# Allegro board T736_DEMO_DBOARD_V0-5-draft.brd (continued)
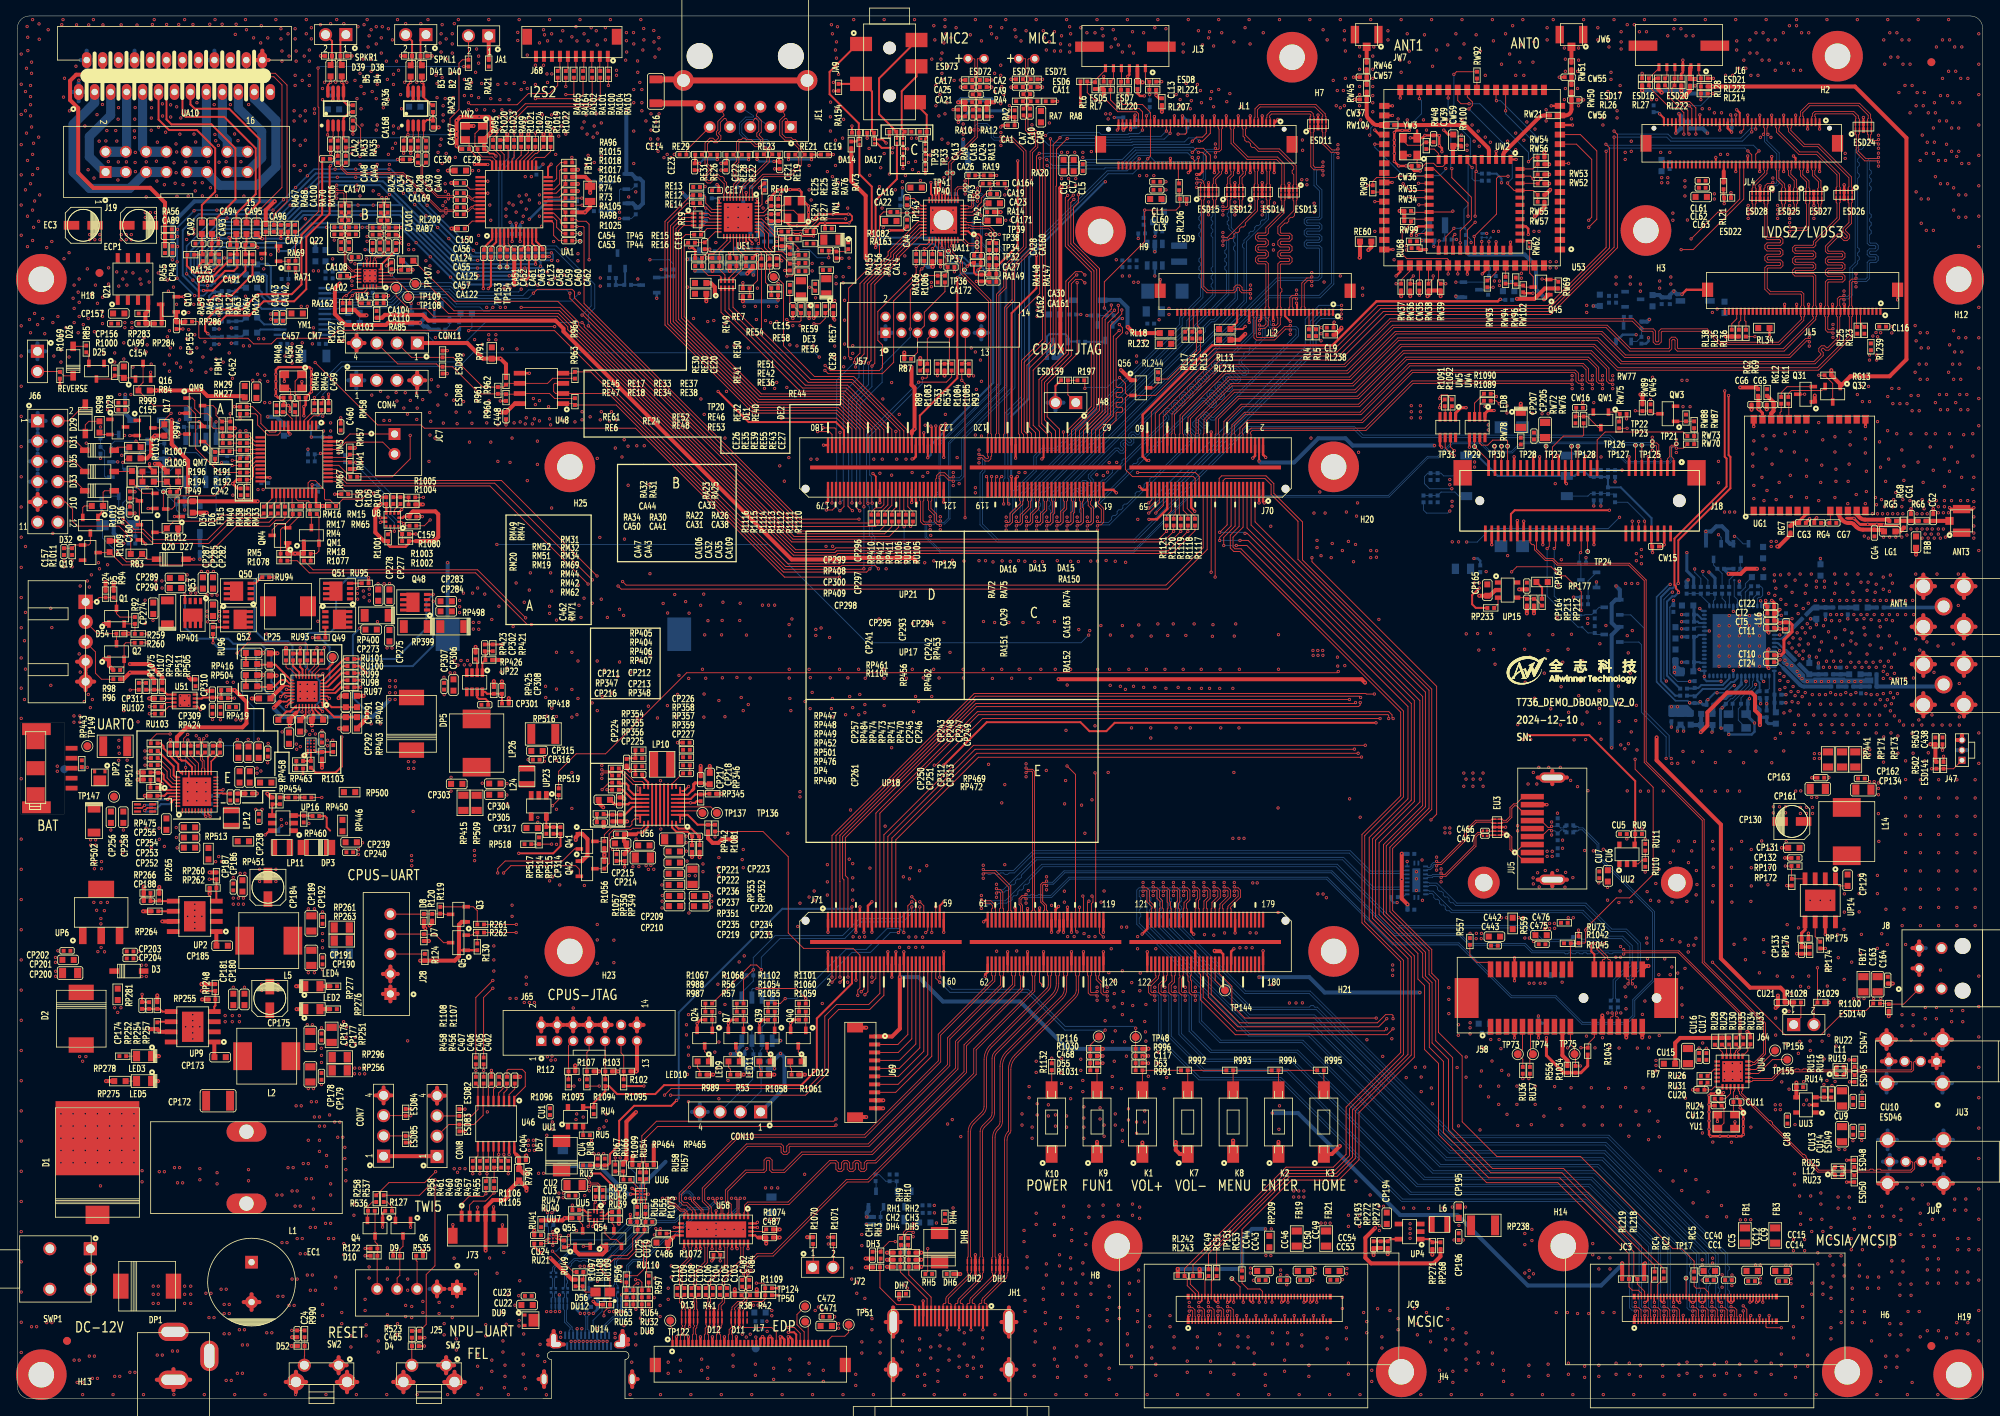
[diagram p0: board, top side]
## Routing (per net, layer and track width the routed paths; a pad name or vN(x,y) marks a point on that pad's centre or on a via; arc(x,y) is an arc through that point) (continued)
  BOTTOM w0.114: v1(179.45,111.25) 179.2,111 176.53,111 176.15,111.38 RW86.2
SIM-DATA: length 6.4
  TOP w0.114: J18.10 203.91,109.91 v1(203.84,109.98)
  BOTTOM w0.114: v1(203.84,109.98) 203.84,110.24 201.72,112.35 RW85.2
SIM-DET: length 22.4
  TOP w0.254: v1(199.44,111.35) 187.58,111.35 187.11,110.88 J18.44
  L4 w0.254: v1(201.03,116.38) 201.03,112.95 v1(199.44,111.35)
  BOTTOM w0.254: v1(201.03,116.38) CW14.2 RW83.2
SIM-RESET: length 36
  TOP w0.114: J18.14 v1(202.31,109.98)
  L3 w0.114: v1(179.71,114.05) 187.07,114.05 191.13,109.98 v1(202.31,109.98)
  BOTTOM w0.114: J3.6 178.67,115.66 178.34,115.99 ESD55.1 CW18.2 176.7,115.99 176.28,115.57 176.28,114.68 176.91,114.05 v1(179.71,114.05)
SIM-VCC: length 34.5
  TOP w0.254: J18.8 204.71,106.91 CW15.1 204.85,106.76 v1(204.85,106.05)
  BOTTOM w0.254: J3.5 182.91,118.2 185.45,115.66 J3.2 195.09,115.66 195.6,116.17 196.38,116.17 197.02,115.53 ESD54.1 CW21.2 RW83.1 RW84.1 200.87,114.22 204.72,110.36 204.72,106.17 v1(204.85,106.05)
SOC-FEL: length 126.1
  TOP w0.114: v1(136.04,57.86) 135.55,58.35 J71.117 ; R523.1 C465.1 51.22,9.31 51.22,15.56 52.31,16.65 v1(52.31,26.56)
  L3 w0.114: v1(136.04,57.86) 135.52,57.34 130.26,57.34 129.49,56.57 122.12,56.57 120.62,55.07 120.62,45.85 104.17,29.39 95.78,29.39 94.03,31.14 79.27,31.14 77.47,29.34 74.09,29.34 73.63,29.79 71.37,29.79 68.59,27.02 61.84,27.02 61.38,26.56 v1(52.31,26.56)
SOC-RST: length 246.7
  TOP w0.114: v1(34.38,8.55) C24.1 R990.1 ; J71.115 135.05,62.05 135.09,62.09 135.09,78.35 v1(135,78.44) ; RP448.2 v1(15.98,81.18)
  L3 w0.114: v1(60.93,18.31) 58.55,15.93 58.55,12.83 54.27,8.55 v1(34.38,8.55) ; v1(15.98,81.18) 15.98,82.65 18.92,85.6 29.46,85.6 29.97,85.09 41.49,85.09 51.01,75.56 59.39,75.56 60.41,74.55 v1(61.39,74.55) 63.16,74.55 72.89,84.28 134.95,84.28 v1(135,84.33)
  L4 w0.114: v1(60.93,18.31) 61.17,18.55 61.17,21.95 61.09,22.04 61.09,29.51 62.01,30.44 62.01,39.21 61.11,40.11 61.11,65.51 61.34,65.74 61.34,74.5 v1(61.39,74.55) ; v1(135,78.44) v1(135,84.33)
SPKL+: length 19.6
  TOP w0.102: RA23.2 45.8,149.77 45.8,150.42 v1(45.67,150.55)
  TOP w0.254: B3.1 v1(49.28,165) 48.94,164.66 UA2.8
  L4 w0.102: v1(45.67,150.55) 45.82,150.7 45.82,160.38 49.78,164.34 49.78,164.47 49.28,164.97 v1(49.28,165)
SPKL-: length 21.9
  TOP w0.102: RA25.2 46.1,149.77 46.1,150.42 v1(46.23,150.55)
  TOP w0.254: RA29.2 51.9,162.12 50.89,163.13 UA2.5 50.89,164.78 v1(50.67,165) B2.1
  L4 w0.102: v1(46.23,150.55) 46.1,150.67 46.1,160.26 50.06,164.22 50.06,164.47 50.59,165 v1(50.67,165)
SPKR+: length 20.3
  TOP w0.102: RA31.2 41.21,149.83 41.21,151.15 40.93,151.43 40.13,151.43 v1(40.01,151.56)
  TOP w0.254: B5.1 v1(39.24,165) 38.9,164.66 UA4.8
  L4 w0.102: v1(39.24,165) 39.25,165 39.8,164.44 39.8,163.97 40.84,162.93 40.84,151.49 40.77,151.42 40.14,151.42 v1(40.01,151.56)
SPKR-: length 22.8
  TOP w0.102: v1(40.01,151) 40.13,151.13 40.81,151.13 40.91,151.03 40.91,149.83 RA32.2
  TOP w0.254: B4.1 v1(40.64,165) 40.85,164.78 UA4.5 40.85,162.62 41.36,162.12 RA36.2
  L4 w0.102: v1(40.01,151) 40.14,151.14 40.89,151.14 41.12,151.38 41.12,163.04 40.08,164.08 40.08,164.44 v1(40.64,165)
SW1: length 17.4
  TOP w0.203: 37.08,85.79 37.08,86.13 36.92,86.29 UP21.30
  TOP w0.508: v1(36.88,84.38) CP294.1 37.08,85.29 37.08,85.79
  L4 w0.305: v1(36.88,84.38) 36.88,85.45 37.72,86.28 37.72,91.54 36.25,93.01 36.25,93.7 37.97,95.43 37.97,97.1 v1(37.64,97.43)
SW2: length 16.2
  TOP w0.203: 34.95,85.99 35.32,86.36 UP21.26
  TOP w0.508: v1(34.11,84.38) CP295.1 34.11,85.15 34.95,85.99
  L4 w0.305: v1(31.24,95.83) 31.24,95.58 34.87,91.95 34.87,86.79 34.11,86.03 v1(34.11,84.38)
SY8113B-OUT: length 23.6
  TOP w0.254: CP302.1 RP421.2 v1(60.76,94.53)
  L4 w0.254: v1(58.24,77.14) 60.53,77.14 61.26,77.88 61.26,79.93 62.71,81.38 62.71,92.58 v1(60.76,94.53)
SYS-LED0: length 1
  TOP w0.114: R56.1 R1068.2
SYS-LED1: length 1
  TOP w0.114: R988.1 R1067.2
SYS-LED2: length 1
  TOP w0.114: R1060.1 R1101.2
SYS-LED3: length 1
  TOP w0.114: R1054.1 R1102.2
TESTI: length 4.2
  TOP w0.114: UA1.21 67.26,151.59 67.94,152.27 67.94,153.91 68.06,154.03 R1015.2
TS: length 37.2
  TOP w0.508: RP410.1 v1(33.66,94.11)
  L3 w0.508: v1(8.76,79.12) 11.81,82.17 11.81,91.44 14.48,94.11 v1(33.66,94.11)
TS-1: length 14
  TOP w0.508: RP490.1 v1(15.98,75.56)
  L3 w0.508: v1(5,78.64) 4.98,78.61 4.98,76.89 6.3,75.56 v1(15.98,75.56)
  vias: v1(5,79.27)
TWI0-CTP0-SCK: length 68.6
  TOP w0.114: v1(123.31,115.57) 123.05,115.32 J70.113 ; JL1.69 140.45,161.05 140.2,161.3 137.86,161.3 136.47,162.69 v1(135.04,162.69) 134.03,163.7 ESD6.2 134.13,165 RL6.1 135.02,165.24 136.31,166.54 JL3.6
  L4 w0.114: v1(123.31,115.57) 123.31,120.14 129.84,126.67 129.84,159.87 132.66,162.69 v1(135.04,162.69)
TWI0-CTP0-SDA: length 71.2
  TOP w0.114: JL3.5 137.31,165.43 ESD5.2 RL7.1 136.94,162.78 138.02,161.71 140.53,161.71 140.95,161.29 JL1.67 v1(140.95,159) ; v1(122.68,115.57) 122.55,115.44 J70.115
  L4 w0.114: v1(122.68,115.57) 122.68,120.02 129.42,126.75 129.42,155.42 128.8,156.03 v1(128.8,158.32)
  BOTTOM w0.114: v1(140.95,159) 140.5,158.55 139.23,158.55 139.14,158.46 135.77,158.46 135.54,158.69 129.18,158.69 v1(128.8,158.32)
TWI5-SCK: length 344.1
  TOP w0.114: J73.1 55.66,24.42 56.59,25.35 58.37,25.35 v1(58.7,25.68) R1105.1 ; RU36.1 v1(188.59,40.11) ; J71.47 v1(113.05,61.64) ; Q41.2 69.79,68.9 68.27,67.39 61.11,67.39 60.17,66.45 v1(60.17,65.89)
  L3 w0.114: v1(207.19,80.24) 206.1,79.15 201.78,79.15 201.37,79.55 180.42,79.55 170.44,69.57 157.78,69.57 154.64,66.42 125.37,66.42 124.26,65.3 122.56,65.3 121.46,64.21 115.41,64.21 113.54,62.34 113.54,62.12 v1(113.05,61.64) 113.05,61.57 112.07,60.58 103,60.58 102.17,61.4 98.84,61.4 93.66,56.22 78.65,56.22 73.52,61.35 64.71,61.35 v1(60.17,65.89)
  L4 w0.114: v1(207.19,80.24) 207.29,80.34 221.77,80.34 223.09,81.66 228.81,81.66 231.19,79.27 232.62,79.27 234.11,77.78 234.11,62.56 226.67,55.12 218.42,55.12 206.73,43.44 199.95,43.44 197.05,40.54 189.03,40.54 v1(188.59,40.11) ; v1(60.17,65.89) 60.17,40.55 58.6,38.98 58.6,36.71 58.95,36.35 59.05,36.35 59.29,36.11 59.29,35.77 59.26,35.74 59.26,27.27 58.7,26.71 v1(58.7,25.68)
  BOTTOM w0.114: Q29.2 202.12,98.24 203.84,96.52 203.84,86.21 206.93,83.11 206.93,80.49 v1(207.19,80.24)
TWI5-SDA: length 339.6
  TOP w0.114: J71.49 113.55,61.77 v1(113.05,62.27) ; J73.2 56.66,24.27 57.15,24.77 58.66,24.77 59.55,25.65 59.59,25.65 v1(59.72,25.78) R1106.1 ; Q42.2 70.4,66.35 69.95,66.8 61.82,66.8 v1(60.91,65.89) ; RU37.1 189.48,40.23 v1(189.36,40.11)
  L3 w0.114: v1(206.55,80.24) 205.89,79.58 202.08,79.58 201.68,79.98 180.37,79.98 170.33,69.95 157.63,69.95 154.48,66.8 125.25,66.8 124.13,65.68 122.4,65.68 121.46,64.74 115.14,64.74 113.05,62.66 v1(113.05,62.27) 112.64,61.86 112.64,61.64 111.95,60.95 103.37,60.95 102.39,61.93 98.63,61.93 93.45,56.74 78.87,56.74 73.74,61.87 64.92,61.87 v1(60.91,65.89)
  L4 w0.114: v1(206.55,80.24) 207.01,80.7 221.62,80.7 222.94,82.02 228.96,82.02 231.34,79.63 232.77,79.63 234.47,77.93 234.47,62.41 226.82,54.76 218.57,54.76 206.88,43.08 200.1,43.08 197.13,40.11 v1(189.36,40.11) ; v1(60.91,65.89) 60.6,65.58 60.6,39.55 59.72,38.66 v1(59.72,25.78)
  BOTTOM w0.114: v1(206.55,80.24) 206.55,82.94 203.45,86.04 203.45,94.5 203.12,94.83 Q30.2
TWI7-AC107-SCK: length 258.2
  TOP w0.114: v1(101.17,128.88) 101.57,128.47 108.36,128.47 109.78,129.9 109.78,137.59 113.08,140.89 113.08,141.38 v1(113.31,141.6) 113.61,141.91 RA156.1 ; R1027.1 40.76,138.04 40.97,138.25 v1(41.2,138.25) 41.96,139.01 43.24,139.01 43.37,139.14 UA3.16 ; J70.176 102.55,121.53 102.41,121.67 100.97,121.67 v1(100.94,121.69)
  L3 w0.114: v1(41.2,138.25) 42.01,139.06 50.39,139.06 51.54,137.92 55.63,137.92 59.31,141.6 61.44,141.6 68.04,148.21 74.93,148.21 v1(75.44,148.72) 81.95,142.21 98.38,142.21 99.93,143.76 111.33,143.76 113.31,141.78 v1(113.31,141.6) ; v1(215.11,108.08) 214.84,107.8 181.71,107.8 181.36,108.15 159.13,108.15 156.39,105.41 139.83,105.41 138.76,106.48 113.13,106.48 112.77,106.83 v1(102.13,106.83)
  L4 w0.114: v1(101.17,128.88) 101.19,128.85 101.19,121.95 v1(100.94,121.69) 100.94,121.11 101.75,120.3 101.75,113.52 102.47,112.8 102.47,107.17 v1(102.13,106.83)
  BOTTOM w0.114: v1(215.11,108.08) 215.26,108.08 216.19,107.15 Q27.2 ; R70.1 77,151.6 Q25.2 75.55,151.6 75.44,151.49 v1(75.44,148.72)
TWI7-AC107-SDA: length 251.4
  TOP w0.114: UA3.17 43.77,138.99 43.43,138.66 42.37,138.66 v1(41.96,138.25) 41.62,137.91 R1026.1 ; J70.178 102.05,120.85 101.7,121.21 v1(100.25,121.21) ; v1(101.19,129.49) 101.83,128.85 107.98,128.85 108.38,129.26 108.38,132.06 107.8,132.64 107.8,136.27 112.6,141.07 v1(112.6,141.91) RA155.1
  L3 w0.114: v1(101.31,106.82) 101.73,107.25 112.85,107.25 113.23,106.86 139.06,106.86 140.17,105.75 156.25,105.75 158.98,108.49 181.88,108.49 182.23,108.15 212.97,108.15 v1(213.11,108.28) ; v1(112.6,141.91) 111.68,141.91 110.18,143.41 100.08,143.41 98.53,141.87 81.53,141.87 75.47,147.92 v1(75.44,147.92) 75.38,147.87 68.24,147.87 61.59,141.22 59.44,141.22 55.63,137.41 51.28,137.41 50.01,138.68 44.78,138.68 43.87,137.77 42.44,137.77 v1(41.96,138.25)
  L4 w0.114: v1(101.31,106.82) 100.93,107.19 100.93,118.87 101.4,119.34 101.4,120.06 v1(100.25,121.21) 100.25,128.83 100.91,129.49 v1(101.19,129.49)
  BOTTOM w0.114: Q28.2 213.45,107.94 v1(213.11,108.28) ; v1(75.44,147.92) Q26.2 76.94,147.92 R69.1
TX1: length 19.7
  TOP w0.114: CON7.2 48.64,32.93 ESD85.2 v1(49.28,32.94) ; U46.14 v1(60.95,30.61) 60.95,30.35 R455.1
  L3 w0.114: v1(49.28,32.94) 50.33,33.99 53.54,33.99 57.76,29.77 60.11,29.77 v1(60.95,30.61)
TX2: length 10.9
  TOP w0.114: R456.1 58.35,39.43 U46.7 58.35,35.51 57.19,34.36 ESD83.2 54.04,34.36 CON8.2
TX-1N: length 7.7
  BOTTOM w0.112: RU17.1 76.32,13.2 76.32,12.72 76.19,12.59 EU2.4 EU2.7 76.19,11.11 76.32,10.98 76.32,10.61 75.95,10.24 74.55,10.24 73.26,8.94 73.26,8.69 73.13,8.56 JU2.A3
TX-1P: length 7.8
  BOTTOM w0.112: JU2.A2 73.63,8.56 73.5,8.69 73.5,8.85 74.65,10 76.05,10 76.56,10.51 76.56,10.98 76.69,11.11 EU2.6 EU2.5 76.69,12.59 76.56,12.73 76.56,13.17 RU46.1
TX-2N: length 10.9
  L3 w0.112: v1(69.88,7.18) 69.76,7.3 69.76,7.76 69.1,8.42 69.1,11.41 68.61,11.9 67.3,11.9 66.93,11.53 66.93,11.01 v1(66.84,10.91)
  BOTTOM w0.112: v1(69.88,7.18) JU2.B3 ; RU42.1 67.05,13.15 67.05,12.72 66.89,12.56 EU1.1 EU1.10 66.89,10.97 v1(66.84,10.91)
TX-2P: length 10
  L3 w0.112: v1(69.38,7.18) 69.49,7.3 69.49,7.65 68.83,8.31 68.83,11.3 68.5,11.63 67.41,11.63 67.2,11.42 67.2,11.11 v1(67.39,10.91)
  BOTTOM w0.112: v1(69.38,7.18) JU2.B2 ; v1(67.39,10.91) EU1.9 EU1.2 67.39,12.59 67.28,12.7 67.28,13.17 LU7.4
TXC: length 3.6
  TOP w0.114: UE1.20 87.44,146.26 CE18.1 84.92,144.92 RE16.2
TXCTL: length 2.6
  TOP w0.114: RE15.2 86.4,146.66 UE1.19
TXD0: length 2.2
  TOP w0.114: UE1.18 85.72,147.06 RE9.5
TXD1: length 2.2
  TOP w0.114: RE9.6 86.15,147.55 86.25,147.46 UE1.17
TXD2: length 2.3
  TOP w0.114: RE9.7 86.56,148.05 86.76,147.86 UE1.16
TXD3: length 2.3
  TOP w0.114: UE1.15 86.84,148.26 86.55,148.55 RE9.8
TYPE-C-D+: length 12.3
  L3 w0.112: v1(71.38,7.18) 71.49,7.3 71.49,9.31 72.63,10.45 72.63,11.11 72.34,11.4 71.78,11.4 71.47,11.09 71.47,10.83 v1(71.61,10.69)
  BOTTOM w0.112: v1(71.38,7.18) JU2.B6 ; LU6.2 71.6,12.57 71.44,12.41 71.44,11.93 DU10.2 71.45,11.09 71.45,10.85 v1(71.61,10.69) 71.61,10.46 71.45,10.3 71.45,8.68 71.63,8.51 JU2.A6
TYPE-C-D-: length 13.1
  L3 w0.112: v1(71.05,10.69) 71.2,10.83 71.2,11.2 71.67,11.67 72.45,11.67 72.9,11.22 72.9,10.34 71.76,9.2 71.76,7.3 v1(71.88,7.18)
  BOTTOM w0.112: JU2.A7 71.13,8.56 71.21,8.65 71.21,10.3 71.05,10.46 v1(71.05,10.69) 71.21,10.85 71.21,11.1 DU11.2 71.2,11.9 71.2,12.41 71.05,12.57 LU6.1 ; v1(71.88,7.18) JU2.B7
TYPEC-DM: length 7.7
  TOP w0.112: v1(71.5,21.59) 71.64,21.73 UU5.5
  L4 w0.112: v1(71.5,21.59) 72.01,21.08 72.01,19 71.21,18.2 71.21,16.78 v1(71.03,16.59)
  BOTTOM w0.112: RU53.1 71.19,16.11 71.19,16.43 v1(71.03,16.59)
TYPEC-DM-1: length 105.1
  TOP w0.112: v1(71.65,26.59) 71.84,26.79 72.62,26.79 72.77,26.64 72.77,26.48 RU67.1 ; RP471.1 22.93,82.16 22.93,82.56 v1(22.78,82.71)
  L3 w0.112: v1(71.65,26.59) 71.48,26.76 71.13,26.76 68.83,24.46 64.72,24.46 64.17,25.01 45.48,25.01 42.79,27.7 42.79,38.97 44.56,40.75 44.56,70.63 40.78,74.41 37.99,74.41 31.89,80.51 24.23,80.51 22.95,81.78 22.95,82.54 v1(22.78,82.71)
TYPEC-DP: length 7.5
  TOP w0.112: UU5.7 72.64,21.75 v1(72.8,21.59)
  L4 w0.112: v1(71.58,16.59) 71.48,16.7 71.48,18.09 72.28,18.89 72.28,21.07 v1(72.8,21.59)
  BOTTOM w0.112: RU52.1 71.42,16.15 71.42,16.43 v1(71.58,16.59)
TYPEC-DP-1: length 105
  TOP w0.112: RU66.1 73,26.48 73,26.74 72.72,27.03 71.77,27.03 v1(71.65,27.15) ; RP470.1 23.17,82.16 23.17,82.54 v1(23.34,82.71)
  L3 w0.112: v1(23.34,82.71) 23.22,82.58 23.22,81.89 24.34,80.77 32,80.77 38.1,74.68 40.89,74.68 44.83,70.74 44.83,40.64 43.05,38.86 43.05,27.81 45.59,25.27 64.28,25.27 64.83,24.73 68.72,24.73 71.02,27.03 71.48,27.03 71.6,27.15 v1(71.65,27.15)
U3-PCIE21-OE: length 1.3
  BOTTOM w0.114: U59.2 173.93,63.21 173.58,62.87 R1037.2
U3-PCIE21-RXN: length 63.9
  TOP w0.102: J71.73 124.55,61.1 124.46,61.19 124.46,64.27 122.53,66.19 121.13,66.19 v1(121,66.32)
  BOTTOM w0.102: v1(121,66.32) 121.13,66.19 124.78,66.19 127.27,68.68 166.98,68.68 169.54,66.12 173.56,66.12 173.66,66.21 U59.8
U3-PCIE21-RXP: length 63.9
  TOP w0.102: v1(121,65.76) 121.13,65.89 122.4,65.89 124.15,64.14 124.15,61.18 124.05,61.09 J71.71
  BOTTOM w0.102: U59.7 173.66,65.71 173.56,65.81 169.42,65.81 166.85,68.38 127.39,68.38 124.9,65.89 124.25,65.89 124.05,65.69 123.74,65.69 123.54,65.89 123.15,65.89 122.95,65.69 122.64,65.69 122.44,65.89 122.14,65.89 121.94,65.69 121.63,65.69 121.43,65.89 121.13,65.89 v1(121,65.76)
U3-PCIE21-SEL: length 65.7
  TOP w0.114: J64.2 225.07,49.22 R1029.2 v1(225.51,54)
  L3 w0.114: v1(225.51,54) 219.25,54 214.6,58.65 210.06,58.65 205.74,62.97 189.43,62.97 183.97,68.43 175.2,68.43 v1(174.11,67.34)
  BOTTOM w0.114: v1(174.11,67.34) U59.9
U3-PCIE21-TXN: length 59.3
  TOP w0.102: v1(122.66,63.93) 122.79,63.8 123.15,63.8 123.46,63.5 123.46,61.48 123.55,61.39 J71.69
  BOTTOM w0.102: v1(122.66,63.93) 122.81,63.78 123.49,63.78 127.56,67.84 166.14,67.84 169.87,64.12 173.56,64.12 173.66,64.21 U59.4
U3-PCIE21-TXP: length 59.2
  TOP w0.102: v1(122.66,63.37) 122.79,63.5 123.02,63.5 123.15,63.37 123.15,61.48 123.05,61.39 J71.67
  BOTTOM w0.102: v1(122.66,63.37) 122.76,63.47 123.62,63.47 123.84,63.69 124.12,63.69 124.34,63.91 124.34,64.19 124.56,64.41 124.84,64.41 125.06,64.62 125.06,64.91 125.27,65.13 125.56,65.13 125.78,65.34 125.78,65.63 127.69,67.54 166.01,67.54 169.74,63.81 173.56,63.81 173.66,63.71 U59.3
UART2-RTS: length 128.2
  TOP w0.114: v1(118.72,110.41) 118.72,127.23 v1(118.31,127.64) R1085.1 ; v1(106.05,111.79) 106.05,111.79 J70.161 ; U48.3 67.31,127.25 67.18,127.13 67.18,126.24 67.44,125.98 U48.2 74.06,125.98 96.09,103.96 105.99,103.96 v1(106.05,104.01) ; R1082.1 108.51,148.74 108,148.23 108,143.05 104.14,139.19 104.14,130.63 v1(104.42,130.35)
  L3 w0.114: v1(118.72,110.41) 118.14,111 106.83,111 v1(106.05,111.79) ; v1(104.42,130.35) 111.58,130.35 112.78,129.16 113.67,129.16 115.19,127.64 v1(118.31,127.64)
  BOTTOM w0.114: v1(106.05,111.79) v1(106.05,104.01)
UART2-RX: length 80.8
  TOP w0.114: R1084.1 117.04,128.07 116.38,127.41 v1(112.9,127.41) ; U48.1 69.68,124.71 R963.2 75.02,124.54 95.96,103.6 106.39,103.6 v1(106.81,104.01) ; v1(106.55,112.22) J70.159
  BOTTOM w0.114: v1(112.9,127.41) 106.38,120.88 106.38,112.4 v1(106.55,112.22) 106.55,111.94 106.73,111.76 106.73,108.19 107.06,107.86 107.06,104.27 v1(106.81,104.01)
UART2-TX: length 80.2
  TOP w0.114: v1(113.39,127.91) 113.88,127.91 114,128.02 R1083.1 ; U48.4 69.68,128.52 R964.2 71.84,128.69 96.23,104.3 103.17,104.3 103.29,104.43 107.46,104.43 v1(107.87,104.01) ; J70.157 107.05,112.28 v1(107.09,112.24)
  BOTTOM w0.114: v1(113.39,127.91) 113.39,127.25 106.78,120.64 106.78,115.78 106.98,115.57 106.98,112.34 v1(107.09,112.24) 107.09,108.36 107.41,108.03 107.41,104.48 v1(107.87,104.01)
UART3-232-RX: length 15.4
  TOP w0.114: R1108.2 v1(57.43,41.12) R458.2 ; R958.2 v1(57.05,28.19)
  L4 w0.114: v1(57.43,41.12) 57.05,40.74 v1(57.05,28.19)
UART3-232-TX: length 15.5
  TOP w0.114: R1107.2 v1(58.41,41.14) R456.2 ; R461.2 v1(57.94,28.19)
  L4 w0.114: v1(58.41,41.14) 57.94,40.67 v1(57.94,28.19)
UART4-GPS-RX: length 175
  TOP w0.114: J71.27 108.05,73.38 120.41,85.73 171.69,85.73 171.79,85.63 v1(171.79,85.24) ; Q32.3 227.42,127.25 RG13.1 v1(225.68,128.27)
  L4 w0.114: v1(171.79,85.24) 171.83,85.28 171.83,85.91 178.66,92.75 178.66,116.05 180.47,117.86 180.47,120.44 183.78,123.76 184.08,123.76 186.06,125.73 201.14,125.73 204.34,128.93 224.64,128.93 225.35,128.22 225.63,128.22 v1(225.68,128.27)
UART4-GPS-TX: length 171.4
  TOP w0.114: v1(172.35,85.24) 172.21,85.38 172.21,85.71 171.81,86.11 120.27,86.11 107.55,73.39 J71.25 ; Q31.3 v1(223.9,125.89)
  L4 w0.114: v1(172.35,85.24) 179.06,91.95 179.06,109.49 180.87,111.3 180.87,120.24 183.57,122.94 185.39,122.94 185.65,123.19 185.65,124.08 186.92,125.35 201.45,125.35 204.6,128.5 221.29,128.5 v1(223.9,125.89)
UART5-232-RX: length 2.6
  TOP w0.114: R457.2 R459.2 R1106.2
UART5-232-TX: length 5.2
  TOP w0.114: R1105.2 58.83,27.39 v1(58.83,28.19) R460.2 ; R455.2 v1(61.5,28.19)
  L3 w0.114: v1(58.83,28.19) v1(61.5,28.19)
UART6-CTS: length 21.9
  TOP w0.114: R1102.1 95.58,49.53 v1(96.19,50.14) ; J71.39 v1(111.05,58.42)
  BOTTOM w0.114: v1(96.19,50.14) 97.64,50.14 103.81,56.31 106.35,56.31 108.97,58.93 110.55,58.93 v1(111.05,58.42)
UART6-RTS: length 27.4
  TOP w0.114: v1(92.66,51.4) 97.51,51.4 v1(98.77,50.14) R1101.1 ; v1(110.36,58.42) 110.55,58.61 J71.37
  BOTTOM w0.114: v1(110.36,58.42) 109.35,58.42 106.86,55.93 104.56,55.93 v1(98.77,50.14) ; U47.3 93.29,51.27 93.17,51.4 v1(92.66,51.4) 92.14,51.4 92.02,51.29 U47.2
UART6-RX: length 34.4
  TOP w0.114: J71.43 v1(112.05,61.64) ; v1(92.19,53.75) 90.98,52.53 R1068.1
  BOTTOM w0.114: v1(112.05,61.64) 110.62,60.2 105.54,60.2 103.38,58.04 94.94,58.04 92.19,55.3 v1(92.19,53.75) R449.2 92.19,52.33 90.75,50.89 U47.1
UART6-TX: length 39.4
  TOP w0.114: R1067.1 91.86,54.36 92.62,54.36 v1(93.2,53.77) ; v1(112.05,62.27) 111.55,61.77 J71.41
  BOTTOM w0.114: v1(112.05,62.27) 112.52,61.8 112.52,61.34 110.93,59.75 105.72,59.75 105.72,59.75 103.66,57.68 95.56,57.68 93.2,55.32 v1(93.2,53.77) R450.2 93.2,52.38 94.56,51.02 U47.4
UART-0-CPUX-RX: length 97.6
  TOP w0.114: J70.177 v1(102.05,112.26) ; R260.2 v1(16.26,94.74)
  L3 w0.114: v1(16.26,94.74) 17.95,96.43 29.38,96.43 30.81,95 35.76,95 36.58,95.81 44.83,95.81 45.21,95.43 54.28,95.43 65.28,106.43 97.28,106.43 102.05,111.2 v1(102.05,112.26)
UART-0-CPUX-TX: length 97.1
  TOP w0.114: R259.2 v1(16.26,95.86) ; J70.175 102.55,111.84 102.1,111.38 v1(101.35,111.38)
  L3 w0.114: v1(16.26,95.86) 17.17,96.77 29.52,96.77 30.95,95.34 35.62,95.34 36.43,96.15 44.98,96.15 45.27,95.86 54.23,95.86 65.28,106.91 96.88,106.91 v1(101.35,111.38)
USB0-DM: length 140.8
  TOP w0.112: RP405.1 74.18,78.67 73.38,78.67 v1(73.22,78.83) ; UU5.2 72.24,24.46 v1(72.42,24.64) 72.42,25.28 RU67.2 ; v1(126.36,79.04) 126.53,78.88 127.17,78.88 127.42,78.63 127.42,61.22 127.55,61.09 J71.85
  L3 w0.112: v1(73.22,78.83) 73.37,78.68 74.5,78.68 77.6,81.79 83.95,81.79 85.08,80.66 118.98,80.66 120.75,78.89 126.22,78.89 v1(126.36,79.04)
  L4 w0.112: v1(73.22,78.83) 73.07,78.68 72.13,78.68 71.73,78.28 71.73,66.18 79.32,58.59 79.32,44.14 78.33,43.15 77.85,43.15 76.52,41.82 76.52,31.61 75.93,31.02 75.93,29.24 73.19,26.5 73.19,25.66 72.81,25.28 72.81,24.75 72.7,24.64 v1(72.42,24.64)
USB0-DP: length 141.3
  TOP w0.112: v1(126.36,78.48) 126.53,78.64 127.07,78.64 127.18,78.53 127.18,61.22 127.05,61.09 J71.83 ; UU5.10 73.24,24.22 v1(73.53,24.51) 73.23,24.82 73.23,25.2 RU66.2 ; RP404.1 74.18,78.43 73.38,78.43 v1(73.22,78.27)
  L3 w0.112: v1(73.22,78.27) 73.37,78.42 74.61,78.42 77.71,81.52 83.84,81.52 84.97,80.39 118.87,80.39 120.64,78.63 126.22,78.63 v1(126.36,78.48)
  L4 w0.112: v1(73.22,78.27) 73.07,78.42 72.24,78.42 72,78.17 72,77.83 72.15,77.68 72.15,77.34 72,77.19 72,66.29 79.59,58.7 79.59,44.03 78.44,42.88 77.96,42.88 76.78,41.71 76.78,34.42 76.94,34.27 76.94,33.93 76.78,33.78 76.78,33.45 76.94,33.29 76.94,32.96 76.78,32.81 76.78,32.47 76.94,32.32 76.94,31.98 76.78,31.83 76.78,31.5 76.2,30.91 76.2,29.13 75.8,28.73 75.8,28.52 75.56,28.28 75.35,28.28 75.11,28.04 75.11,27.83 74.87,27.59 74.66,27.59 74.42,27.35 74.42,27.14 74.18,26.9 73.97,26.9 73.46,26.39 73.46,25.55 73.08,25.17 73.08,24.78 73.34,24.51 v1(73.53,24.51)
USB0-DRVVBUS: length 47.8
  TOP w0.254: J71.14 104.55,52.05 100.15,47.65 100.15,41.24 98.21,39.29 81.03,39.29 79.91,38.18 75.13,38.18 74.13,39.17 R1094.1 73.66,38.53 72.2,37.07 RU4.2 70.89,36.52 UU1.4
USB0-ID: length 1
  TOP w0.114: R1097.2 70.91,15.02 RU108.2
USB0-VBUSDET: length 56.6
  TOP w0.114: J71.13 v1(104.55,61.64)
  TOP w0.254: v1(82.59,37.39) 81.9,36.7 77.27,36.7 75.39,34.82 75.39,31.8 74.24,30.66 74.24,29.5 73.99,29.24 RU8.2 CU4.2 71.73,29.24 RU3.1
  BOTTOM w0.254: v1(82.59,37.39) 82.86,37.66 82.86,48.43 95.83,61.39 104.31,61.39 v1(104.55,61.64)
USB1-DM: length 103.9
  TOP w0.112: v1(201.23,56.28) 201.39,56.12 208.16,56.12 215.93,48.36 215.93,45.55 RU34.1 ; v1(128.93,64.87) 128.77,64.71 128.46,64.71 128.21,64.46 128.21,62.22 128.68,61.75 128.68,61.25 128.55,61.12 J71.89
  BOTTOM w0.112: v1(201.23,56.28) 201.07,56.12 189.82,56.12 188.89,57.06 181.96,57.06 180.75,58.27 172.58,58.27 164.69,66.15 131.12,66.15 129.68,64.72 129.08,64.72 v1(128.93,64.87)
USB1-DP: length 103.9
  TOP w0.112: RU35.1 215.69,45.61 215.69,48.26 208.06,55.89 201.39,55.89 v1(201.23,55.73) ; v1(128.93,64.31) 128.77,64.47 128.56,64.47 128.45,64.36 128.45,62.32 128.92,61.85 128.92,61.25 129.05,61.12 J71.91
  BOTTOM w0.112: v1(128.93,64.31) 129.1,64.48 129.78,64.48 131.22,65.91 164.59,65.91 172.48,58.03 180.65,58.03 181.86,56.82 188.79,56.82 189.72,55.89 193.78,55.89 193.9,55.76 194.24,55.76 194.37,55.89 194.7,55.89 194.83,55.76 195.16,55.76 195.29,55.89 195.63,55.89 195.75,55.76 196.09,55.76 196.22,55.89 196.55,55.89 196.68,55.76 197.01,55.76 197.14,55.89 197.47,55.89 197.6,55.76 197.94,55.76 198.06,55.89 198.4,55.89 198.53,55.76 198.86,55.76 198.99,55.89 199.32,55.89 199.45,55.76 199.79,55.76 199.91,55.89 201.07,55.89 v1(201.23,55.73)
USB1-DRVVBUS: length 264.9
  TOP w0.254: UU2.4 202.67,69.5 RU9.2 202.67,77.41 196.93,83.16 189.2,83.16 v1(188.65,82.6) ; J71.16 v1(105.05,52.45) ; R1095.1 78.47,39.17 v1(78.49,39.19)
  TOP w0.508: v1(222.87,39.62) 222.87,39.04 ; 222.87,39.04 UU3.4 ; 222.87,39.04 RU14.2
  L3 w0.254: v1(78.49,39.19) 81.31,42.01 97.36,42.01 102.95,47.6 102.95,48.46 104.37,49.89 104.37,51.77 v1(105.05,52.45) 106.65,54.05 114.78,54.05 118.51,57.78 128.02,57.78 130.48,60.25 157.25,60.25 v1(157.94,60.93)
  L3 w0.508: v1(157.94,74.04) 169.85,74.04 178.41,82.6 v1(188.65,82.6)
  L4 w0.254: v1(157.94,60.93) v1(157.94,74.04)
  L4 w0.508: v1(188.65,82.6) 189.97,81.28 197.59,81.28 199.82,79.04 203.38,79.04 206.1,81.76 220.22,81.76 221.31,82.85 231.88,82.85 235.71,79.02 235.71,61.87 227.63,53.8 227.63,45.03 222.87,40.27 v1(222.87,39.62)
USB2-DM: length 118
  TOP w0.112: v1(126.37,63.2) 126.21,63.04 125.86,63.04 125.49,62.68 125.49,61.93 125.68,61.73 125.68,61.04 125.55,60.91 J71.77
  BOTTOM w0.112: v1(126.37,63.2) 126.53,63.04 126.86,63.04 126.99,63.17 127.32,63.17 127.45,63.04 127.79,63.04 127.91,63.17 128.25,63.17 128.38,63.04 129.44,63.04 131.75,65.35 164.12,65.35 172.35,57.12 180.59,57.12 187.22,50.5 192.76,50.5 196.09,47.17 201.5,47.17 202.38,48.05 202.38,50.03 204.85,52.5 204.85,60.95 197.89,67.91 197.89,69.44 196.03,71.31 195.64,71.31 195.49,71.15 L10.1
USB2-DP: length 118.1
  TOP w0.112: J71.79 126.05,60.92 125.92,61.05 125.92,61.83 125.73,62.03 125.73,62.58 125.96,62.8 126.21,62.8 v1(126.37,62.64)
  BOTTOM w0.112: v1(126.37,62.64) 126.52,62.8 129.54,62.8 131.85,65.12 164.02,65.12 172.25,56.89 180.49,56.89 187.12,50.26 192.66,50.26 195.99,46.93 201.6,46.93 202.62,47.95 202.62,49.93 205.09,52.4 205.09,61.05 198.13,68.01 198.13,69.54 196.13,71.54 195.64,71.54 195.49,71.7 L10.2
USB2-SW: length 176
  TOP w0.114: v1(75.26,101.86) 75.65,101.47 144.09,101.47 149.05,106.43 J70.29 ; Q55.2 v1(70.9,19.09)
  L4 w0.114: v1(75.26,101.86) 75.26,101.09 70.89,96.72 70.89,65.84 78.49,58.24 78.49,44.49 77.98,43.99 76.93,43.99 74.8,41.85 74.8,32.58 73.89,31.68 73.89,28.59 72.14,26.84 72.14,25.83 71.55,25.25 71.55,23.42 70.66,22.53 70.66,19.33 v1(70.9,19.09)
USB2-SW-EN: length 175.8
  TOP w0.114: v1(73.61,21.59) 73.61,20.7 74.35,19.96 75.03,19.96 75.68,19.32 Q54.2 ; J70.31 148.55,106.64 143.88,101.97 76.26,101.97 v1(75.82,102.41)
  L4 w0.114: v1(75.82,102.41) 75.82,101.17 71.23,96.58 71.23,65.98 78.83,58.38 78.83,44.35 78.13,43.64 77.42,43.64 75.67,41.9 75.67,32.8 74.24,31.37 74.24,28.32 72.54,26.62 72.54,25.71 71.9,25.07 71.9,23.89 73.61,22.17 v1(73.61,21.59)
USB2-SW-EN-R: length 2.8
  TOP w0.114: UU5.8 74.47,22.54 RU39.1 74.51,21.96 74.73,21.74 Q54.3
USB2-SW-R: length 3.2
  TOP w0.114: Q55.3 70.82,21.79 70.38,22.23 RU40.1 70.68,22.94 UU5.4
USB3-RXN: length 18.7
  TOP w0.112: JU5.5 188.66,75.45 187.76,74.55 187.45,74.55 186.98,74.08 186.98,72.96 186.51,72.49 186.13,72.49 185.99,72.63 EU3.5 EU3.6 184.74,72.63 184.61,72.5 182.68,72.5 181.3,71.11 181.3,70.18 178.3,67.18 177.95,67.18 v1(177.79,67.34)
  BOTTOM w0.112: U59.12 176.6,66.71 176.73,66.58 176.95,66.58 177.11,66.75 177.11,66.93 177.37,67.19 177.64,67.19 v1(177.79,67.34)
USB3-RXP: length 18.6
  TOP w0.112: v1(177.79,66.78) 177.95,66.94 178.4,66.94 181.53,70.08 181.53,71.01 182.78,72.26 184.64,72.26 184.77,72.13 EU3.7 EU3.4 185.97,72.13 186.1,72.25 186.61,72.25 187.22,72.86 187.22,73.98 187.55,74.31 187.82,74.31 188.68,73.45 JU5.6
  BOTTOM w0.112: U59.13 176.59,66.21 176.72,66.34 177.05,66.34 177.35,66.65 177.35,66.83 177.47,66.95 177.63,66.95 v1(177.79,66.78)
USB3-TXN: length 10.4
  TOP w0.112: C466.1 183.38,70.98 182.97,70.98 182.49,70.5 182.49,69.34 178.86,65.71 178.52,65.71 v1(178.36,65.87)
  BOTTOM w0.112: U59.14 176.6,65.71 176.73,65.58 177.16,65.58 177.28,65.7 178.19,65.7 v1(178.36,65.87)
USB3-TXN-1: length 7.9
  TOP w0.112: JU5.8 188.68,69.45 187.86,68.63 187.5,68.63 187.22,68.91 187.22,70.39 186.61,71 186.1,71 185.97,71.13 EU3.2 EU3.9 184.47,71.13 184.4,71.2 C466.2
USB3-TXP: length 10.4
  TOP w0.112: C467.1 183.4,70.74 183.07,70.74 182.73,70.4 182.73,69.24 178.96,65.47 178.52,65.47 v1(178.36,65.31)
  BOTTOM w0.112: U59.15 176.59,65.21 176.72,65.34 177.26,65.34 177.38,65.46 178.21,65.46 v1(178.36,65.31)
USB3-TXP-1: length 8
  TOP w0.112: JU5.9 188.66,67.45 187.71,68.39 187.4,68.39 186.98,68.81 186.98,70.29 186.51,70.76 186.13,70.76 185.99,70.63 EU3.1 EU3.10 184.5,70.63 184.4,70.54 C467.2
USBVBUS: length 15.5
  TOP w0.254: v1(76.83,25.63) UU6.A2
  BOTTOM w0.203: JU2.B4 v1(70.38,7.18) 70.38,7.27 70.13,7.52 JU2.A9 ; JU2.B9 v1(72.88,7.18) 72.88,7.27 72.63,7.52 JU2.A4
  BOTTOM w0.254: v1(72.63,8.76) JU2.A4 ; v1(70.13,8.76) JU2.A9
  BOTTOM w0.508: RP507.2 72.87,29.19 76.43,25.63 v1(76.83,25.63)
  vias: v1(38.85,82.52) v1(38.87,81.84) v1(39.51,82.52) v1(54.72,28.82) v1(55.14,28.37) v1(55.42,28.84) v1(56.08,28.83) v1(57.11,97.29) v1(57.12,96.46) v1(57.82,97.29) v1(57.8,96.43) v1(67.84,25.76) v1(67.84,25.2) v1(68.4,25.76) v1(68.38,25.2)
USBVBUS-H: length 25
  TOP w0.203: v1(38.28,90.86) 37.97,90.54 UP21.9
  TOP w0.254: RU100.2 42.84,91.82 v1(43.71,90.94) ; RU98.2 v1(43,90.04)
  L4 w0.254: 43.56,90.6 43.71,90.75 v1(43.71,90.94)
  L4 w0.305: v1(38.28,90.86) 39.09,90.04 v1(43,90.04) 43.56,90.6
  BOTTOM w0.254: v1(43.71,90.94) 44.59,91.82 49.53,91.82 52.1,94.39 v1(52.1,99.95)
VD33: length 9.6
  TOP w0.508: RU30.1 213.56,45.24 RU29.1 212.67,45.22 RU28.1 208.3,45.21 207.68,44.59 FB7.2
VDRV: length 2
  TOP w0.203: 35.95,85.55 36.12,85.73 UP21.28
  TOP w0.508: 35.95,85.55 CP293.2
VLED0+: length 1
  BOTTOM w0.508: UL1.5 v1(142.49,143.76)
  vias: v1(139.85,139.93) v1(140.41,139.93) v1(140.46,132.61) v1(141.27,132.61)
VLED0-: length 27.9
  TOP w0.508: v1(153.82,133.45) 153.09,132.72 RL231.1
  L3 w0.508: v1(153.82,133.45) 139.12,133.45 v1(138.99,133.58)
  L4 w0.508: v1(138.99,133.58) 139.42,133.58 140.06,134.21 140.06,137.21 137.67,139.6 v1(137.67,142.75)
